# KiCad board KLST_CATERPILLAR.kicad_pcb (continued)
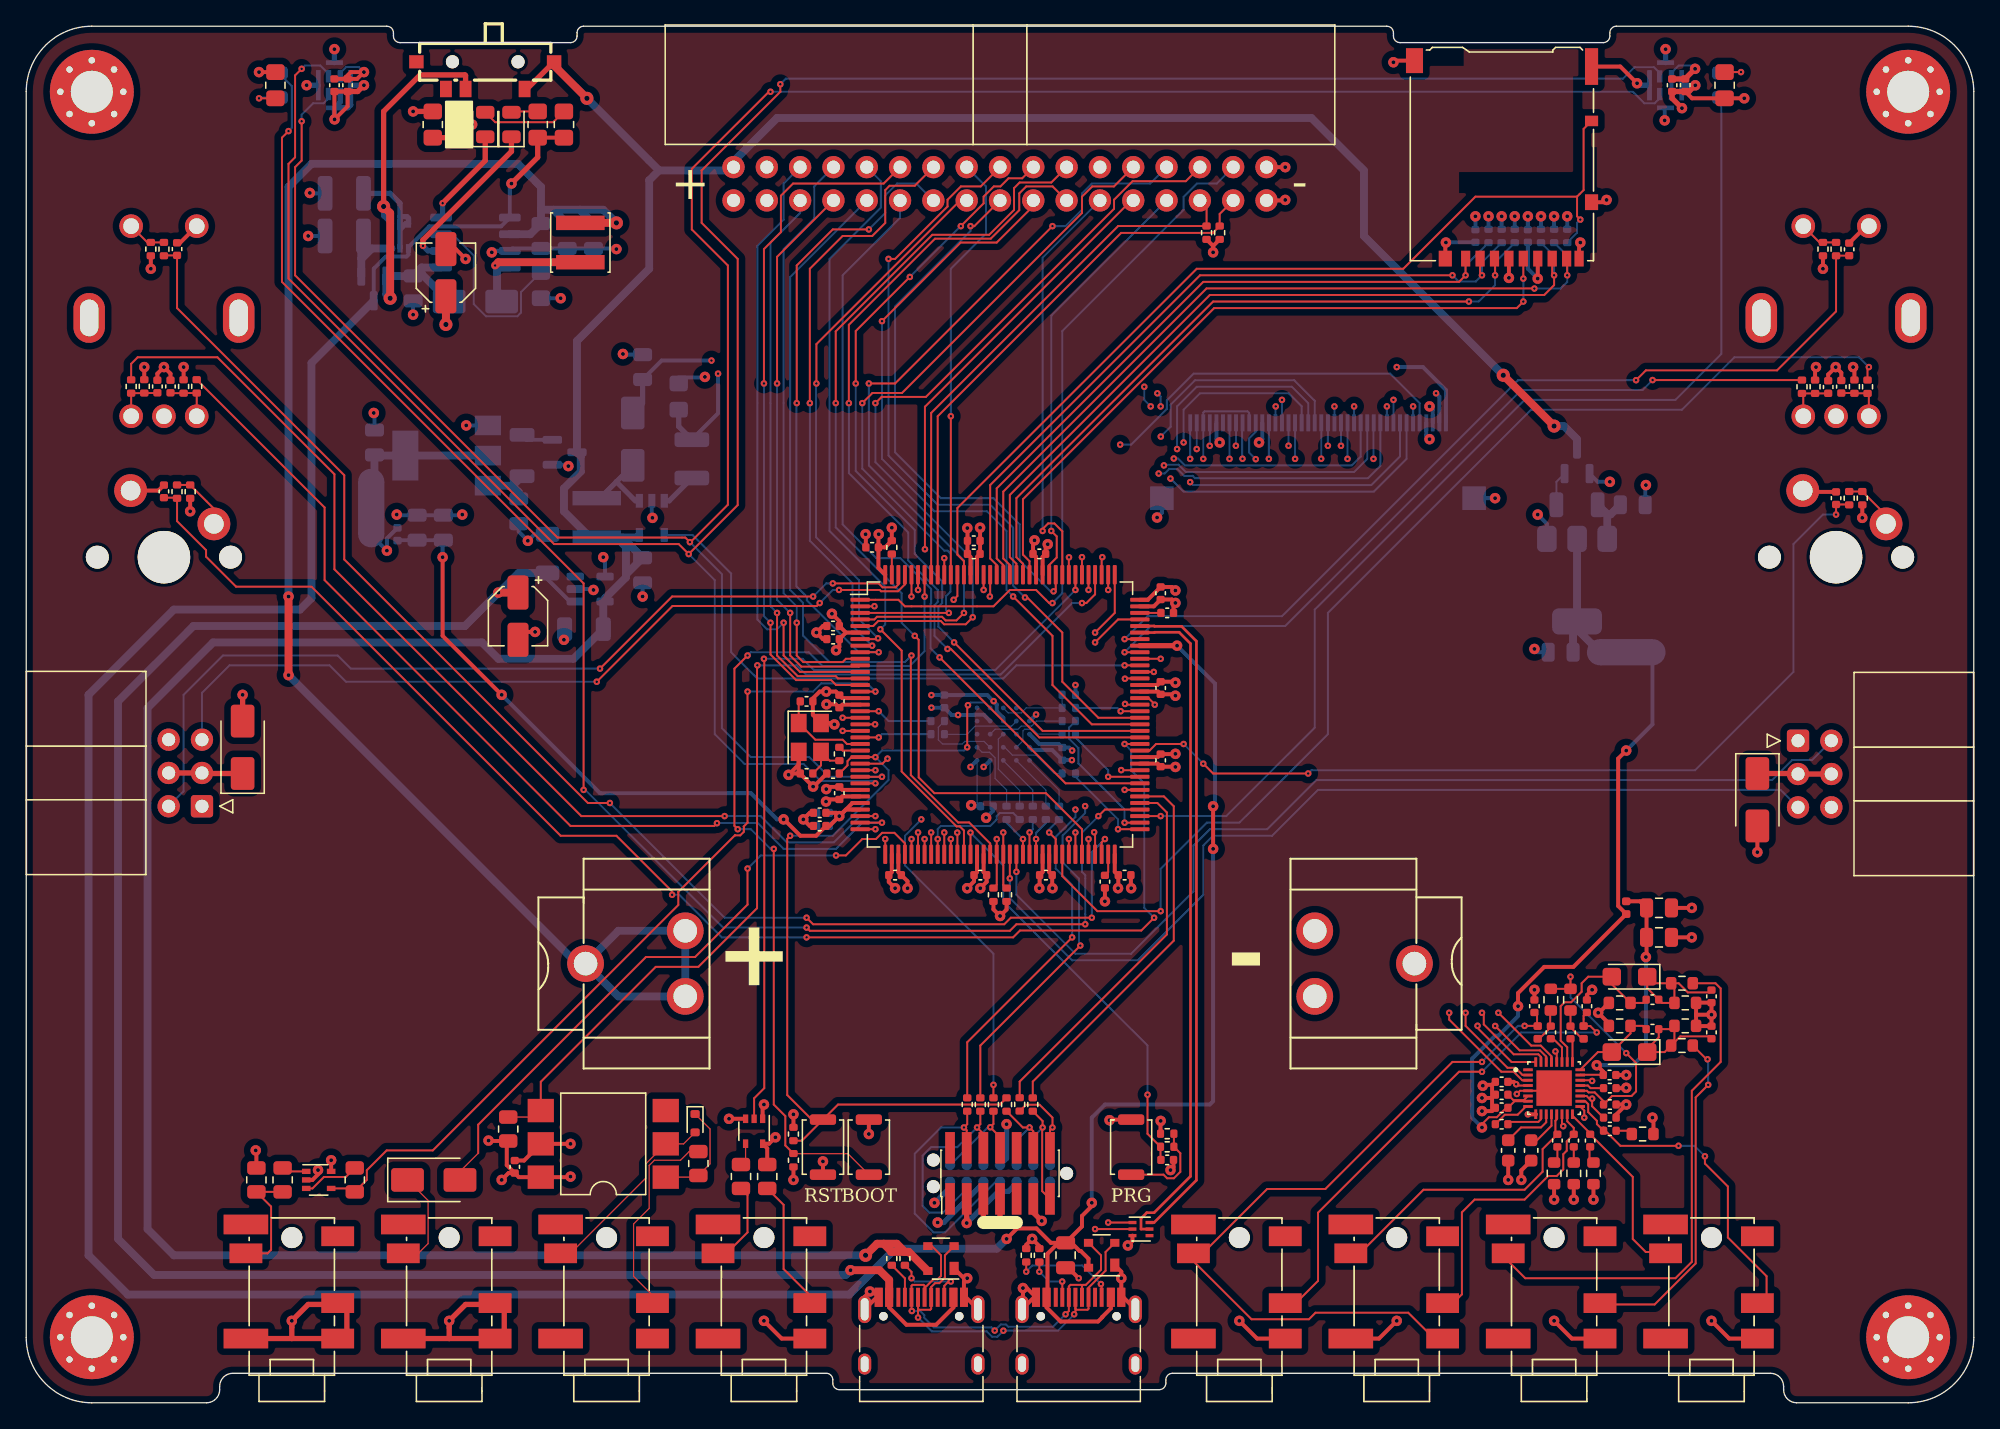
[diagram p0: board, top side]
## Routing (per net, layer and track width the routed paths; a pad name or vN(x,y) marks a point on that pad's centre or on a via; arc(x,y) is an arc through that point) (continued)
/ADC_DAC/INPUT_SIGNAL: length 8.9
  Top w0.15: R48.1 R47.1 18.67,14.97 18.67,11.67 18.4,11.4 J12.T
/ADC_DAC/OUTPUT_SIGNAL: length 7.7
  Top w0.09: J11.T 29.9,11.4 30.64,12.14 30.64,15.43 D14.1
/audio_codec/(LINE_IN_LEFT): length 40.1
  Top w0.15: R72.1 128.81,32 129.2,31.61 129.2,26 127,23.8 127,10.75 125.75,9.5 114.3,9.5 112.3,11.5
/audio_codec/(LINE_IN_RIGHT): length 25.4
  Top w0.15: 120.7,7.5 124.17,7.5 127.29,10.63 127.29,23.29 v2(128.25,24.25) ; R73.1 128.12,26.2 v2(128.2,26.2)
  Bottom w0.15: v2(128.25,24.25) 128.25,26.15 v2(128.2,26.2)
/audio_codec/(MIC_IN_LEFT): length 57.4
  Top w0.15: v2(111,26) 108.75,26 99.06,16.31 94.62,16.31 89.71,11.4 J16.T ; 88.3,11.5 93.43,6.37 97.81,6.37 98.31,6.87 105.38,6.87 107.35,4.9 J18.S ; v2(114.25,28.75) 115.24,28.75 FB2.1 115.2,28.78 115.2,29.57 C58.2
  Bottom w0.15: v2(114.25,28.75) 113.75,28.75 v2(111,26)
/audio_codec/(MIC_IN_RIGHT): length 37
  Top w0.15: C59.1 118.75,29.52 FB3.1 119.27,28.73 v2(119.75,28.25) ; 96.7,7.5 98.5,9.3 98.5,14.5 109.25,25.25 v2(111,25.25)
  Bottom w0.15: v2(119.75,28.25) 114,28.25 v2(111,25.25)
/audio_codec/HEADPHONE_LEFT: length 22.2
  Top w0.15: J18.T 101.69,11.4 106.54,16.25 114.25,16.25 115.62,17.62 115.62,19.35 C80.1 116.6,20.63 116.6,21.52 116.7,21.62 U13.13
/audio_codec/HEADPHONE_RIGHT: length 21.2
  Top w0.15: 108.7,7.5 109.47,8.27 109.47,14.53 110.44,15.5 114.25,15.5 116.05,17.3 116.7,17.3 117.2,17.8 117.2,18.96 117.47,19.23 117.47,19.94 C79.1 118,20.97 117.5,21.47 U13.15
/audio_codec/LINE_IN_LEFT: length 13.6
  Top w0.15: C64.2 123.27,30.5 R78.1 120.9,31.92 C63.2 119.1,32.5 118.6,32 118.6,31.35 117.8,30.55 117.3,30.55 117,30.25 117,27.62 117.5,27.12 U13.26
/audio_codec/LINE_IN_RIGHT: length 6.9
  Top w0.15: C65.2 123.27,28.75 R79.1 122.32,28.17 C66.2 119.84,26.75 U13.24
/audio_codec/LINE_OUT_LEFT: length 13.6
  Top w0.15: U13.16 117.9,21.9 119.25,20.55 C78.1 122.5,17.23 122.5,12.49 123.49,11.5 124.3,11.5
/audio_codec/LINE_OUT_RIGHT: length 25.2
  Top w0.15: U13.18 118.88,23 119.1,22.78 119.1,22.17 119.76,21.5 119.76,21.25 C77.1 ; v2(125.99,19.6) 121.55,19.6 120.27,20.88 120.27,21 ; 132.7,7.5 132.7,9.66 129.75,12.61 129.75,16.5 128,18.25 v2(128,18.8)
  Bottom w0.15: v2(125.99,19.6) 127.2,19.6 v2(128,18.8)
/audio_codec/MIC_BIAS: length 18.5
  Top w0.15: v2(117.75,32.5) R76.1 R75.1 ; v2(122,26.67) 122.75,25.92 122.75,23.75 122.4,23.4 120.92,23.4 C74.1 120.27,23 119.6,23.68 119.13,23.68 119,23.8 U13.20
  Bottom w0.15: v2(117.75,32.5) 117.75,30.92 v2(122,26.67)
/audio_codec/MIC_IN_LEFT: length 2.2
  Top w0.15: C61.2 116.43,27.77 117.1,27.1 117.1,25.98
/audio_codec/MIC_IN_RIGHT: length 1.8
  Top w0.15: C62.2 117.9,27.62 U13.25
/battery/(BAT_PLUS): length 129.7
  Top w0.6: L3.1 v3(45,90) ; v1(20,61.5) v1(20,55.5)
  Bottom w0.6: 40.2,91 C34.1 ; 40.2,91 39.25,91 ; 40.2,91 42.2,91 ; 42.75,33.75 42.65,33.65 J3.1 ; J3.1 45.15,31 J3.1 J3.1 50.25,36 45.15,36 J3.1 ; J3.1 42,33.5 v1(20,55.5) ; 39.25,91 39.25,92.75 37.5,94.5 21.75,94.5 20,92.75 v1(20,61.5) ; 39.25,91 C33.1 38.44,89.14 U4.6 ; 42.2,91 44,91 v3(45,90) ; 42.2,91 C36.1
/battery/(LED_CHRG): length 12.6
  Top w0.4: v2(30.25,88.25) 30.25,88.7 37,95.45 D6.1
  Bottom w0.4: U4.2 30.64,87.86 v2(30.25,88.25)
/battery/(LED_STDBY): length 7.6
  Top w0.4: D5.1 35,94.75 v2(31.75,91.5)
  Bottom w0.4: v2(31.75,91.5) 31.75,90.53 U4.4
/battery/LX: length 10.5
  Top w0.6: L3.2 36,87 v2(35.75,86.75)
  Bottom w0.6: U4.8 35.9,86.59 ; 35.9,86.59 v2(35.75,86.75) ; 35.9,86.59 35.9,84.35 D7.2
/core/(PWR_LED): length 2
  Top w0.4: D3.1 32.94,96.5 R8.2
/core/_PDR_ON: length 1.6
  Top w0.15: R10.2 U2.143
/core/_VCAP_1: length 1.7
  Top w0.15: U2.71 82.5,40.48 C24.1
/core/_VCAP_2: length 1.6
  Top w0.15: C27.1 U2.106
/display/DISPLAY_ANODE_PLUS_22V_OUT: length 67.6
  In2.Cu w0.3: v2(52.25,79.5) 52.5,79.75 104.75,79.75 v2(107.5,77)
  Bottom w0.3: C31.1 48.45,79.5 v2(52.25,79.5) ; 47,76.25 D4.1 ; v2(107.5,77) 107.75,76.75 J2.2
  Bottom w0.4: C31.1 47,76.25
/display/DISPLAY_CATHODE_MINUS_OUT: length 67
  In2.Cu w0.3: v2(52.75,78.5) 53.25,79 v2(104.5,79)
  Bottom w0.3: 50.75,73.47 52.75,75.47 v2(52.75,78.5) ; v2(104.5,79) 106.5,79 108.25,77.25 J2.1
  Bottom w0.4: 49.75,75.29 49.75,74.47 50.75,73.47
/MIDI_analog/MIDI_IN_SINK(5): length 14.7
  Top w0.09: D11.2 50.12,19.75 U5.2 47.27,18.25 47.27,17.16 41.5,11.4 J7.T
/MIDI_analog/MIDI_IN_SOURCE(4): length 16.2
  Top w0.09: R39.1 50.55,19.16 49.89,18.5 47.9,18.5 47.5,18.1 47.5,14.83 46.31,13.64 46.31,9.64 48.45,7.5
/MIDI_analog/MIDI_OUT_SINK(5): length 7.1
  Top w0.15: 52.05,11.5 53.5,11.5 55,13 55,15.85 R41.1
/MIDI_analog/MIDI_OUT_SOURCE(4): length 10.5
  Top w0.15: R40.2 57.75,15.1 57.75,10.2 60.45,7.5
/power/(PWR_1.8V): length 11.8
  Bottom w0.15: 117.95,59.3 U14.2
  Bottom w0.6: NT2.2 118.25,59 U14.2 U14.2 ; C89.1 117.95,59.3
/power/(PWR_3.3V): length 10.8
  Bottom w0.6: 35.2,72.25 U1.2 26.61,72.25 C2.1 26.56,70.5 NT1.2
/power/(PWR_5V_TO_1.8V): length 4.2
  Bottom w0.6: 120.55,67.78 FB4.1 ; 120.55,67.78 120.82,67.78 C88.1 ; 120.55,67.78 U14.3
/power/(PWR_5V_TO_3.3V): length 4.1
  Bottom w0.6: 37.08,69.95 FB1.1 ; 37.08,69.95 37.56,69.47 C1.1 ; 37.08,69.95 35.2,69.95
/programmer/RST: length 7.2
  Top w0.15: J14.12 76.79,20.71 v2(76.5,21) 75.99,21 R54.1
  Bottom w0.15: v2(76.5,21) 75.52,20.02 J15.12
/programmer/SERIAL_RX: length 10.4
  Top w0.15: J14.13 77.47,16.15 77.47,20.97 77.5,21 77.5,21.49 R58.1
  Bottom w0.15: J15.13 77,18.34 77,20.5 77.5,21
  vias: v2(77.5,21)
/programmer/SERIAL_TX: length 8.4
  Top w0.15: J14.14 78.06,20.81 v2(78.25,21) 78.25,21.75 77.27,22.74 76.23,22.74 R59.1
  Bottom w0.15: v2(78.25,21) 78.06,20.81 J15.14
/programmer/SWD_CLK: length 16.8
  Top w0.15: R55.1 72.75,21.25 v2(72.5,21) 72.98,20.52 J14.6
  Bottom w0.15: J15.6 71.71,16.31 69.9,14.5 68.87,14.5 68.35,15.02 68.35,18.86 68.99,19.5 71,19.5 v2(72.5,21)
/programmer/SWD_IO: length 20.8
  Top w0.15: R56.1 71.75,21.25 v2(71.5,21) 71.71,20.79 J14.4
  Bottom w0.15: J15.4 73.93,16.87 70.07,13 69.18,13 67.75,14.43 67.75,19 69.75,21 v2(71.5,21)
/programmer/SWD_OUT: length 7.5
  Top w0.15: R57.1 73.75,21.26 v2(73.51,21.02) 74.25,20.27 J14.8
  Bottom w0.15: v2(73.51,21.02) 73.32,21.02 J15.8
/USB/USB_CONNECTOR_MINUS: length 46.7
  Top w0.15: v2(67.53,7) 67.5,7.03 J10.B7 67.5,8.92 67.58,9 68.42,9 68.5,8.92 J10.A7 68.5,8.75 69.17,9.43 69.5,9.43 69.75,9.68 69.75,11.25 69.05,11.95 D13.3 ; v2(79.25,6.75) 79.5,7 J9.B7 79.5,8.87 79.62,9 80.43,9 80.5,8.92 ; D12.3 81.95,11.25 81.95,10.15 80.79,9 80.57,9 80.5,8.92 ; 80.5,8.92 J9.A7 ; U7.2 v2(81.5,13.25)
  In2.Cu w0.15: v2(73.85,5.51) 74,5.66 74,9.42 75.63,11.05 79.3,11.05 v2(81.5,13.25)
  Bottom w0.15: v2(79.25,6.75) 78.3,5.8 74.88,5.8 74.71,5.97 74.31,5.97 v2(73.85,5.51) 73.61,5.75 69.21,5.75 68.47,6.49 68.47,6.7 68.17,7 v2(67.53,7)
/USB/USB_CONNECTOR_PLUS: length 47.4
  Top w0.15: v2(79.9,6.75) 80,6.85 J9.A6 80,7.17 80.07,7.09 80.92,7.09 81,7.17 J9.B6 81,8.78 82.3,10.08 82.3,11.5 D12.2 ; v2(68,6.5) J10.A6 68,7.17 68.08,7.09 68.92,7.09 69,7.17 J10.B6 69,8.83 69.3,9.12 69.62,9.12 70.05,9.55 70.05,11.25 D13.2 ; U7.1 v2(82.5,13.75)
  In2.Cu w0.15: v2(82.5,13.75) 82.5,13.58 79.67,10.75 75.75,10.75 74.3,9.29 74.3,5.71 v2(74.51,5.5)
  Bottom w0.15: v2(68,6.5) 69.05,5.45 73.23,5.45 73.65,5.03 74.04,5.03 v2(74.51,5.5) 78.67,5.5 79.9,6.74 v2(79.9,6.75)
_ADC_USR: length 66.2
  Top w0.15: v2(55,54.25) 55,44.25 54.71,43.96 54.72,43.94 54.72,43.56 54.44,43.28 54.06,43.28 54.04,43.29 49.71,38.96 49.72,38.94 49.72,37.97 31,19.25 27.48,19.25 25.97,17.74 25.97,17.01 R49.2 24.79,16.35 U9.4 ; U2.15 v2(64.75,54.25)
  Bottom w0.15: v2(64.75,54.25) 64.13,54.87 60.62,54.87 60,54.25 v2(55,54.25)
_AUDIO_CODEC_I2C_SCL: length 98
  Top w0.15: v2(109.75,29.75) 109.75,28.75 112.95,25.55 113.55,25.55 114.1,25 U13.2 ; R3.2 74,39.51 U2.54 v2(74,43)
  In2.Cu w0.15: v2(109.75,29.75) 109.25,29.75 108.25,28.75 77.75,28.75 76,30.5 76,41 v2(74,43) 74,52.5 82.03,60.53 82.03,63.53 82.7,64.21 82.7,65.7 86,69 86.5,69 88.25,70.75 88.25,72.25 88.75,72.75 v2(89.25,72.75)
  Bottom w0.15: J2.39 v2(89.25,72.75)
_AUDIO_CODEC_I2C_SDA: length 96.7
  Top w0.15: v2(108.5,29.75) 108.5,29.23 112.48,25.25 113.42,25.25 114.07,24.6 U13.3 ; v2(74.5,43.5) U2.55 74.5,39.51 R4.2
  In2.Cu w0.15: v2(88.75,72) 89.5,71.25 89.5,69.91 83,63.41 83,60.92 74.5,52.42 v2(74.5,43.5) 76.5,41.5 76.5,31 78.12,29.38 107.88,29.38 108.25,29.75 v2(108.5,29.75)
  Bottom w0.15: J2.40 v2(88.75,72)
_AUDIO_CODEC_SAI_FS: length 75.9
  Top w0.15: U13.30 115.9,26.4 115.42,26.88 113.87,26.88 v2(112.01,28.74) ; U2.21 v2(62.25,51.25)
  In2.Cu w0.15: v2(62.25,51.25) 62.7,50.8 62.7,38.61 76.31,25 108.27,25 v2(112.01,28.74)
_AUDIO_CODEC_SAI_MCLK: length 77.2
  Top w0.15: v2(116.6,26.8) 116.7,26.7 U13.28 ; U2.19 v2(62.25,52.25)
  In2.Cu w0.15: v2(116.6,26.8) 116.6,27.15 114.53,29.22 111.81,29.22 108.34,25.75 76.73,25.75 63,39.48 63,51.5 v2(62.25,52.25)
_AUDIO_CODEC_SAI_SCK: length 74
  Top w0.15: U13.29 116.3,26.43 115.48,27.25 114.75,27.25 v2(112.25,29.75) ; U2.20 v2(64.72,51.75)
  In2.Cu w0.15: v2(112.25,29.75) 111.71,29.75 111.24,29.28 110.37,29.28 108.35,27.25 77.25,27.25 63.75,40.75 63.75,51.5 64,51.75 v2(64.72,51.75)
_AUDIO_CODEC_SAI_SD_IN: length 60.8
  Top w0.15: v2(111,29.75) 111.14,29.61 111.14,28.86 113.42,26.58 115.3,26.58 115.5,26.38 U13.31 ; v2(70.99,43.49) 71,43.48 U2.48
  In2.Cu w0.15: v2(70.99,43.49) 70.99,34.51 77.5,28 108.34,28 109.61,29.27 109.95,29.27 110.42,29.75 v2(111,29.75)
_AUDIO_CODEC_SAI_SD_OUT: length 81.8
  Top w0.15: v2(110.66,28.76) 110.66,28.59 113.26,25.99 U13.32 ; v2(64.67,60.76) 64.66,60.75 U2.2
  In2.Cu w0.15: v2(110.66,28.76) 110.66,28.71 108.45,26.5 77.04,26.5 63.4,40.14 63.4,59.49 v2(64.67,60.76)
_AUDIO_MIC_CLK: length 192.4
  Top w0.15: U2.28 v2(65.25,47.75) ; v2(21,97.75) 21,94.75 20.5,94.25 20.5,86 40.5,66 50.25,66 v2(50.61,65.64) 50.64,65.64 53.5,68.5 53.5,86.75 50.75,89.5 50.75,94.12 56.62,100 v2(56.75,100)
  Bottom w0.15: v2(65.25,47.75) 61.21,47.75 59.71,49.25 55.25,49.25 53.05,51.45 53.05,63.2 v2(50.61,65.64) ; U10.3 124.55,99.5 124.17,99.12 123.38,99.12 122.5,100 v2(56.75,100) ; U11.3 23.05,99.5 22.67,99.12 21.87,99.12 21,98.25 v2(21,97.75)
_AUDIO_MIC_DATA: length 197.2
  Top w0.15: U2.29 v2(64.75,47.25) ; v2(57.5,100.58) 57.5,100 51.5,94 51.5,90 54.25,87.25 54.25,68.48 v2(50.51,64.74) 49.75,65.5 40.25,65.5 20,85.75 20,94.5 20.5,95 20.5,101.25 v2(21,101.75)
  Bottom w0.15: v2(21,101.75) 21.25,102 22.43,102 23.05,101.38 U11.4 23.05,101.53 ; U10.4 124.55,101.44 124.12,101.88 122.63,101.88 121.75,101 57.92,101 v2(57.5,100.58) ; v2(50.51,64.74) 52.5,62.75 52.5,51 54.77,48.73 59.27,48.73 60.57,47.43 64.57,47.43 v2(64.75,47.25)
_BUTTON_PROGRAMMER: length 32.6
  Top w0.15: U2.50 72,43.49 v2(72,43.49) ; v2(85.5,23.5) 85.5,20.51 R38.1 86.49,18.56 C44.1
  Bottom w0.15: v2(72,43.49) 74.5,40.99 74.5,38.25 85.5,27.25 v2(85.5,23.5)
_CARD_SDMMC_CHIP_DETECT: length 72.6
  Top w0.15: 118.25,92 110.5,92 105,86.5 89.25,86.5 71,68.25 71,64.69 71.5,64.19 U2.132 ; 118.25,92 118.75,92.5 118.75,97.17 J1.10 ; 118.25,92 118.25,90.5 v2(118.5,90.25)
  Bottom w0.15: R12.1 118.25,89.24 118.25,90 v2(118.5,90.25)
_CARD_SDMMC_CK: length 53.6
  Top w0.15: U2.122 76.5,64.19 76,64.69 76,68.92 90.58,83.5 113.66,83.5 v2(114.16,84) ; J1.5 v2(114.16,85.75)
  Bottom w0.15: v2(114.16,84) v2(114.16,85.75) 114.15,85.75
_CARD_SDMMC_CMD: length 54.4
  Top w0.15: v2(110,84) 90.5,84 75.5,69 75.5,64.5 76,64 U2.123 ; v2(112,86) 112,87.23 J1.3
  Bottom w0.15: v2(110,84) 110.75,84 112,85.25 v2(112,86) 112,86.99 R15.2
_CARD_SDMMC_D0: length 59.4
  Top w0.15: J1.7 116.35,86.14 v2(116.5,86) 116.5,85.25 115.75,84.5 90.25,84.5 75,69.25 75,64.5 75.5,64 U2.124
  Bottom w0.15: R14.2 116.5,87.49 v2(116.5,86)
_CARD_SDMMC_D1: length 60.9
  Top w0.15: v2(115,84.99) 114.99,85 90,85 74.5,69.5 74.5,64.4 75,63.9 U2.125 ; J1.8 117.5,87.23 v2(117.5,86)
  Bottom w0.15: v2(115,84.99) 116.99,84.99 117.5,85.5 v2(117.5,86) 117.5,87.49 R13.2
_CARD_SDMMC_D2: length 53.8
  Top w0.15: U2.126 74.5,63.9 74,64.4 74,69.75 89.75,85.5 109.25,85.5 v2(109.75,86) 109.75,87.27 J1.1
  Bottom w0.15: v2(109.75,86) 109.75,86.75 111.49,88.49 R17.2
_CARD_SDMMC_D3: length 56
  Top w0.15: v2(108.75,86) 89.5,86 73.5,70 73.5,64.4 74,63.9 U2.127 ; v2(111,86) 110.85,86.14 J1.2
  Bottom w0.15: v2(108.75,86) 109.22,85.53 110.53,85.53 v2(111,86) 111,86.99 R16.2
_DAC_USR: length 49.3
  Top w0.09: 34.46,19.04 33.07,17.65 D14.2
  Top w0.15: v2(55,40.75) 55,38 51,34 47.25,34 34.46,21.21 34.46,19.04 ; v2(61.75,41.75) 62.5,41.75 63.75,43 64.79,43 65.26,43.47 66.2,43.47 67,42.67 U2.40
  Bottom w0.15: v2(55,40.75) 56,41.75 v2(61.75,41.75)
_DISPLAY_BACKLIGHT_PWM: length 44.7
  Top w0.15: U2.98 v2(83.75,56.25)
  Bottom w0.15: U3.4 50.8,66.2 53.75,63.25 53.75,57.25 55.75,55.25 74.5,55.25 75.5,56.25 v2(83.75,56.25)
_DISPLAY_LTDC_B0: length 37.4
  Top w0.15: v2(73,62) U2.129
  In2.Cu w0.15: v2(86.51,73.7) 82.95,73.7 73,63.75 v2(73,62)
  Bottom w0.15: v2(86.51,73.7) 87.27,74.45 87.27,76.14 89.12,78 96.68,78 98.25,76.43 J2.21
_DISPLAY_LTDC_B1: length 29.4
  Top w0.15: U2.114 v2(80.5,64.5)
  In2.Cu w0.15: v2(87.75,72.75) 87.55,72.75 87.08,72.28 85.78,72.28 80.5,67 v2(80.5,64.5)
  Bottom w0.15: J2.22 97.75,76.25 96.5,77.5 89.25,77.5 87.75,76 v2(87.75,72.75)
_DISPLAY_LTDC_B2: length 28.8
  Top w0.15: U2.116 79.5,64.48 v2(79.51,64.49)
  In2.Cu w0.15: v2(88.25,73.25) 87.58,73.25 86.91,72.58 85.26,72.58 80.2,67.51 80.2,66.7 79.51,66.01 v2(79.51,64.49)
  Bottom w0.15: v2(88.25,73.25) 88.25,75.75 89.5,77 96.26,77 97.25,76.01 J2.23
_DISPLAY_LTDC_B3: length 37.2
  Top w0.15: U2.79 v2(83.75,46.75)
  In2.Cu w0.15: v2(83.75,46.75) 84.9,47.9 84.9,59.29 85.05,59.44 85.05,62.65 87.65,65.25 92.25,65.25 96.75,69.75 v2(96.75,72)
  Bottom w0.15: J2.24 v2(96.75,72)
_DISPLAY_LTDC_B4: length 42.8
  Top w0.15: v2(79.5,43) U2.65
  In2.Cu w0.15: v2(79.5,43) 80.17,43 81.28,44.1 81.28,44.95 84.6,48.27 84.6,62.64 87.71,65.75 92,65.75 96.25,70 v2(96.25,73)
  Bottom w0.15: J2.25 v2(96.25,73)
_DISPLAY_LTDC_B5: length 34.2
  Top w0.15: U2.135 v2(70,64.43)
  In2.Cu w0.15: v2(70,64.43) 71.43,64.43 73.5,66.5 73.5,67.25 81.25,75 86.29,75 87.79,76.5 v2(95.75,76.5)
  Bottom w0.15: J2.26 v2(95.75,76.5)
_DISPLAY_LTDC_B6: length 35.8
  Top w0.15: U2.139 v2(68,62)
  In2.Cu w0.15: v2(95.27,76) 88.11,76 86.61,74.5 81.75,74.5 74.25,67 74.25,66.5 69.75,62 v2(68,62)
  Bottom w0.15: v2(95.27,76) 95.25,75.98 J2.27
_DISPLAY_LTDC_B7: length 38.5
  Top w0.15: U2.140 v2(67.5,61.5)
  In2.Cu w0.15: v2(67.5,61.5) 68,61 69.31,61 82.52,74.2 87.09,74.2 87.39,74.5 91.58,74.5 93.58,72.5 94.25,72.5 v2(94.75,72)
  Bottom w0.15: J2.28 v2(94.75,72)
_DISPLAY_LTDC_CLK: length 29.5
  Top w0.15: v2(83.78,53.31) 83.84,53.25 U2.92
  In2.Cu w0.15: v2(93.75,71.98) 93.75,68.25 91.75,66.25 87.75,66.25 84.3,62.8 84.3,53.82 v2(83.78,53.31)
  Bottom w0.15: v2(93.75,71.98) 93.25,72.48 93.25,73.57 93.75,74.07 J2.30
_DISPLAY_LTDC_DE: length 38.6
  Top w0.15: U2.66 v2(80,43.5)
  In2.Cu w0.15: v2(80,43.5) 80,44.1 83.97,48.06 83.97,48.53 82.97,49.53 82.97,59.06 83.6,59.69 83.6,63.03 91.75,71.18 v2(91.75,72)
  Bottom w0.15: J2.34 v2(91.75,72)
_DISPLAY_LTDC_G0: length 56.1
  Top w0.15: v2(70.5,43) U2.47
  In2.Cu w0.15: v2(70.5,43) 70.5,43.75 70.75,44 70.75,52.09 70.58,52.26 70.58,52.66 71.61,53.68 72.18,53.68 79.5,61 79.5,62.21 81.28,63.99 81.28,66.36 85.87,70.96 85.87,71.08 86.3,71.5 v2(86.75,71.5)
  Bottom w0.15: J2.13 102.25,72 101.25,71 88.42,71 87.87,71.55 86.8,71.55 v2(86.75,71.5)
_DISPLAY_LTDC_G1: length 55.8
  Top w0.15: v2(70,43.5) U2.46
  In2.Cu w0.15: v2(70,43.5) 70,44 70.28,44.28 70.28,52.78 71.48,53.98 72.05,53.98 78.95,60.89 78.95,62.14 80.97,64.17 80.97,66.72 86.22,71.97 87.45,71.97 v2(87.5,72.03)
  Bottom w0.15: J2.14 101.75,72.17 101.08,71.5 88.35,71.5 87.82,72.03 v2(87.5,72.03)
_DISPLAY_LTDC_G2: length 65.2
  Top w0.15: U2.42 v2(68,43.5)
  In2.Cu w0.15: v2(68,43.5) 67.13,44.37 67.13,49.74 67.03,49.85 67.03,62.42 69.5,64.9 70.65,64.9 70.75,65 70.75,66.75 79.5,75.5 86,75.5 v2(86.5,76) ; v2(101.25,76) 99.9,77.35 86.6,77.35 v2(86.25,77)
  Bottom w0.15: v2(86.25,77) 86.5,76.75 v2(86.5,76) ; J2.15 v2(101.25,76)
_DISPLAY_LTDC_G3: length 28.8
  Top w0.15: U2.99 v2(86.5,56.75)
  In2.Cu w0.15: v2(86.5,56.75) 86.5,62.2 87.55,63.25 93.15,63.25 100.75,70.85 v2(100.75,72)
  Bottom w0.15: J2.16 v2(100.75,72)
_DISPLAY_LTDC_G4: length 44.4
  Top w0.15: v2(81.43,43.52) 81.5,43.45 U2.69
  In2.Cu w0.15: v2(100.25,73) 100.25,71 93,63.75 87.5,63.75 85.97,62.22 85.97,56.42 86.54,55.86 86.54,48.63 v2(81.43,43.52)
  Bottom w0.15: J2.17 v2(100.25,73)
_DISPLAY_LTDC_G5: length 58.5
  Top w0.15: U2.27 v2(64.75,48.25)
  In2.Cu w0.15: v2(64.75,48.25) 65.6,48.25 66.25,48.9 66.25,49.37 66,49.62 66,63.25 79.22,76.47 86.69,76.47 87.26,77.05 98.7,77.05 v2(99.75,76)
  Bottom w0.15: J2.18 v2(99.75,76)
_DISPLAY_LTDC_G6: length 29
  Top w0.15: U2.97 85.97,55.75 v2(85.98,55.75)
  In2.Cu w0.15: v2(99.25,73) 99.25,70.75 92.75,64.25 87.5,64.25 85.65,62.4 85.65,59.19 85.5,59.04 85.5,56.22 v2(85.98,55.75)
  Bottom w0.15: J2.19 v2(99.25,73)
_DISPLAY_LTDC_G7: length 31.7
  Top w0.15: U2.93 85.57,53.75 86.05,53.27 v2(86.05,53.25)
  In2.Cu w0.15: v2(86.05,53.25) 85.2,54.1 85.2,59.17 85.35,59.32 85.35,62.52 87.58,64.75 92.5,64.75 98.74,70.99 v2(98.74,72.01)
  Bottom w0.15: J2.20 98.75,72.02 v2(98.74,72.01)
_DISPLAY_LTDC_HSYNC: length 27
  Top w0.15: U2.96 83.79,55.25 v2(83.78,55.23)
  In2.Cu w0.15: v2(92.74,72.01) 92.74,67.99 91.5,66.75 87.75,66.75 84,63 84,59.66 83.28,58.94 83.28,55.73 v2(83.78,55.23)
  Bottom w0.15: J2.32 92.71,74.71 92.71,72.04 v2(92.74,72.01)
_DISPLAY_LTDC_R0: length 45.4
  Top w0.15: U2.128 73.5,61.53 v2(73.47,61.5)
  In2.Cu w0.15: v2(73.47,61.5) 73.47,63.4 83.16,73.09 v2(83.41,73.09)
  Bottom w0.15: J2.5 106.25,76.25 104,78.5 89.01,78.5 86.97,76.46 86.97,75.81 84.25,73.09 v2(83.41,73.09)
_DISPLAY_LTDC_R1: length 71.9
  Top w0.15: U2.36 v2(64.75,43.75)
  In2.Cu w0.15: v2(105.75,76) 103.25,78.5 80.17,78.5 65.4,63.73 65.4,60.68 64.03,59.31 64.03,52.9 64.7,52.22 64.95,52.22 65.2,51.97 65.2,51.53 64.95,51.28 64.7,51.28 64.23,50.81 64.23,44.27 v2(64.75,43.75)
  Bottom w0.15: J2.6 v2(105.75,76)
_DISPLAY_LTDC_R2: length 32
  Top w0.15: v2(82.05,64.5) 82,64.45 U2.111
  In2.Cu w0.15: v2(87.25,70.5) 86.75,70.5 82,65.75 82,64.55 v2(82.05,64.5)
  Bottom w0.15: J2.7 105.25,72 102.75,69.5 88.25,69.5 v2(87.25,70.5)
_DISPLAY_LTDC_R3: length 32
  Top w0.15: U2.110 v2(82.5,62)
  In2.Cu w0.15: v2(82.5,62) 82.5,63.34 83.25,64.09 83.25,65.44 86.29,68.47 87,68.47 v2(88.75,70.22)
  Bottom w0.15: v2(88.75,70.22) 88.97,70 102.56,70 104.75,72.19 J2.8
_DISPLAY_LTDC_R4: length 69.5
  Top w0.15: v2(67.5,43) U2.41
  In2.Cu w0.15: v2(85.25,77.5) 85.75,78 102.75,78 v2(104.25,76.5) ; v2(85.74,76) 79.33,76 70,66.67 70,65.85 66.7,62.55 66.7,49.75 66.84,49.62 66.84,48.65 66.7,48.52 66.7,43.8 v2(67.5,43)
  Bottom w0.15: J2.9 v2(104.25,76.5) ; v2(85.74,76) 85.25,76.49 v2(85.25,77.5)
_DISPLAY_LTDC_R5: length 62.4
  Top w0.15: v2(65.67,49.14) 65.29,48.75 U2.26
  In2.Cu w0.15: v2(65.67,49.14) 65.7,49.16 65.7,63.45 79.25,77 85.5,77 86.15,77.65 102.1,77.65 v2(103.75,76)
  Bottom w0.15: J2.10 v2(103.75,76)
_DISPLAY_LTDC_R6: length 33.3
  Top w0.15: v2(81,62) U2.113
  In2.Cu w0.15: v2(86.35,70.88) 86.35,70.85 81.57,66.08 81.57,63.58 81,63 v2(81,62)
  Bottom w0.15: v2(86.35,70.88) 86.8,70.88 87.14,71.22 87.78,71.22 88.3,70.7 88.95,70.7 89.12,70.53 102.31,70.53 103.25,71.46 J2.11
_DISPLAY_LTDC_R7: length 45.8
  Top w0.15: U2.68 v2(81,43)
  In2.Cu w0.15: v2(81,43) 81.58,43 87,48.42 87,62.28 87.47,62.75 93.5,62.75 102.72,71.97 v2(102.72,72)
  Bottom w0.15: J2.12 102.72,74.72 v2(102.72,72)
_DISPLAY_LTDC_VSYNC: length 48.3
  Top w0.15: v2(68.5,43) U2.43
  In2.Cu w0.15: v2(92.24,73) 91.21,74.03 87.51,74.03 86.71,73.22 84.47,73.22 79.5,68.25 79.5,67.25 78.73,66.48 78.73,63.53 77.46,62.25 77.46,61.92 69.5,53.95 69.5,52.82 69.25,52.58 69.25,44.62 68.5,43.88 v2(68.5,43)
  Bottom w0.15: J2.33 92.25,73.01 v2(92.24,73)
_DISPLAY_ON_OFF: length 52.3
  Top w0.15: v2(69,43.5) U2.44
  In2.Cu w0.15: v2(89.75,72) 89.75,73.5 89.53,73.72 87.63,73.72 86.78,72.88 84.85,72.88 79.8,67.83 79.8,66.96 79.04,66.2 79.04,63.41 77.76,62.13 77.76,61.76 69.98,53.98 69.98,52.01 69.75,51.78 69.75,44.5 69,43.75 v2(69,43.5)
  Bottom w0.15: v2(89.75,72) J2.38 89.75,75.53 89.85,75.62 93.12,75.62 93.25,75.5 J2.31
_DISPLAY_TOUCH_INTERRUPT: length 31.7
  Top w0.15: U2.82 83.5,48.25 v2(83.49,48.26)
  In2.Cu w0.15: v2(83.49,48.26) 83.24,48.26 82.5,49 82.5,59.01 83.3,59.81 83.3,63.25 90.24,70.19 v2(90.24,73)
  Bottom w0.15: v2(90.24,73) 90.25,73.01 J2.37
_ENCODER_00_A: length 61.4
  Top w0.15: U2.100 v2(83.75,57.25) ; R25.2 v2(124.01,78.01)
  Bottom w0.15: v2(83.75,57.25) 85.75,59.25 96,59.25 114,77.25 123.25,77.25 v2(124.01,78.01)
_ENCODER_00_B: length 90.4
  Top w0.15: R30.1 140.4,78.9 v2(140.5,79) ; v2(86.5,37.5) 81.67,37.5 79,40.17 U2.64
  Bottom w0.15: v2(140.5,79) 139.75,79.75 130.25,79.75 126.25,75.75 114.75,75.75 99.25,60.25 99.25,51 92.5,44.25 90.02,44.25 86.5,40.73 v2(86.5,37.5)
_ENCODER_00_BUTTON: length 71
  Top w0.15: C39.1 138.01,87.5 R28.1 138,83.25 133.5,78.75 123.5,78.75 v2(122.75,78) ; U2.102 v2(83.75,58.25)
  Bottom w0.15: v2(83.75,58.25) 85.5,60 95.75,60 113.75,78 v2(122.75,78)
_ENCODER_01_A: length 79.7
  Top w0.15: v2(53.25,44.75) 42.33,44.75 23.5,63.58 23.5,70.83 14.58,79.75 8.5,79.75 8,79.25 R31.2 ; v2(64.75,44.75) U2.34
  Bottom w0.15: v2(64.75,44.75) U2.34 61.59,42.75 58,42.75 56,44.75 v2(53.25,44.75)
_ENCODER_01_B: length 73
  Top w0.15: v2(52.67,44.21) 52.46,44 41.5,44 22.75,62.75 22.75,68.29 R36.1 ; v2(65.25,44.25) U2.35
  Bottom w0.15: v2(65.25,44.25) 63.75,44.25 61.75,42.25 57.75,42.25 55.78,44.22 52.68,44.22 v2(52.67,44.21)
_ENCODER_01_BUTTON: length 105.9
  Top w0.15: v2(44.5,45.75) 42.83,45.75 24.25,64.33 24.25,70.75 11.5,83.5 C42.1 10.53,87.52 R34.1 ; v2(59.5,37) 60,36.5 74.58,36.5 75.08,37 v2(81.25,37) ; U2.70 82,42.75 v2(82.25,43)
  Bottom w0.15: v2(82.25,43) 81.25,42 v2(81.25,37) ; v2(59.5,37) 53.25,37 v2(44.5,45.75)
_EXT_MEMORY_A0: length 7.3
  Top w0.15: v2(83.25,43.75) U2.73
  Bottom w0.15: R66.2 80.01,47.74 83.25,44.5 v2(83.25,43.75)
_EXT_MEMORY_A1: length 6.7
  Top w0.15: U2.81 v2(82.5,47.75)
  Bottom w0.15: R65.2 80.01,50.74 82.5,48.25 v2(82.5,47.75)
_EXT_MEMORY_A2: length 10.9